# Altium PCB T1_Card.PcbDoc (part 5 of 6)
Units mil, origin at the board's own origin, x right, y up, seen from the top; angles counter-clockwise.
Board outline 3700.79 x 3582.68 mil, 6 copper layers (Layer 1, Layer 2, Layer 3, Layer 4, Layer 5, Layer 6), stack 65.8 mil thick; 365 components, 265 nets, 1177 pads, 1027 vias.
Unrouted connection lines stored in the file: 4.
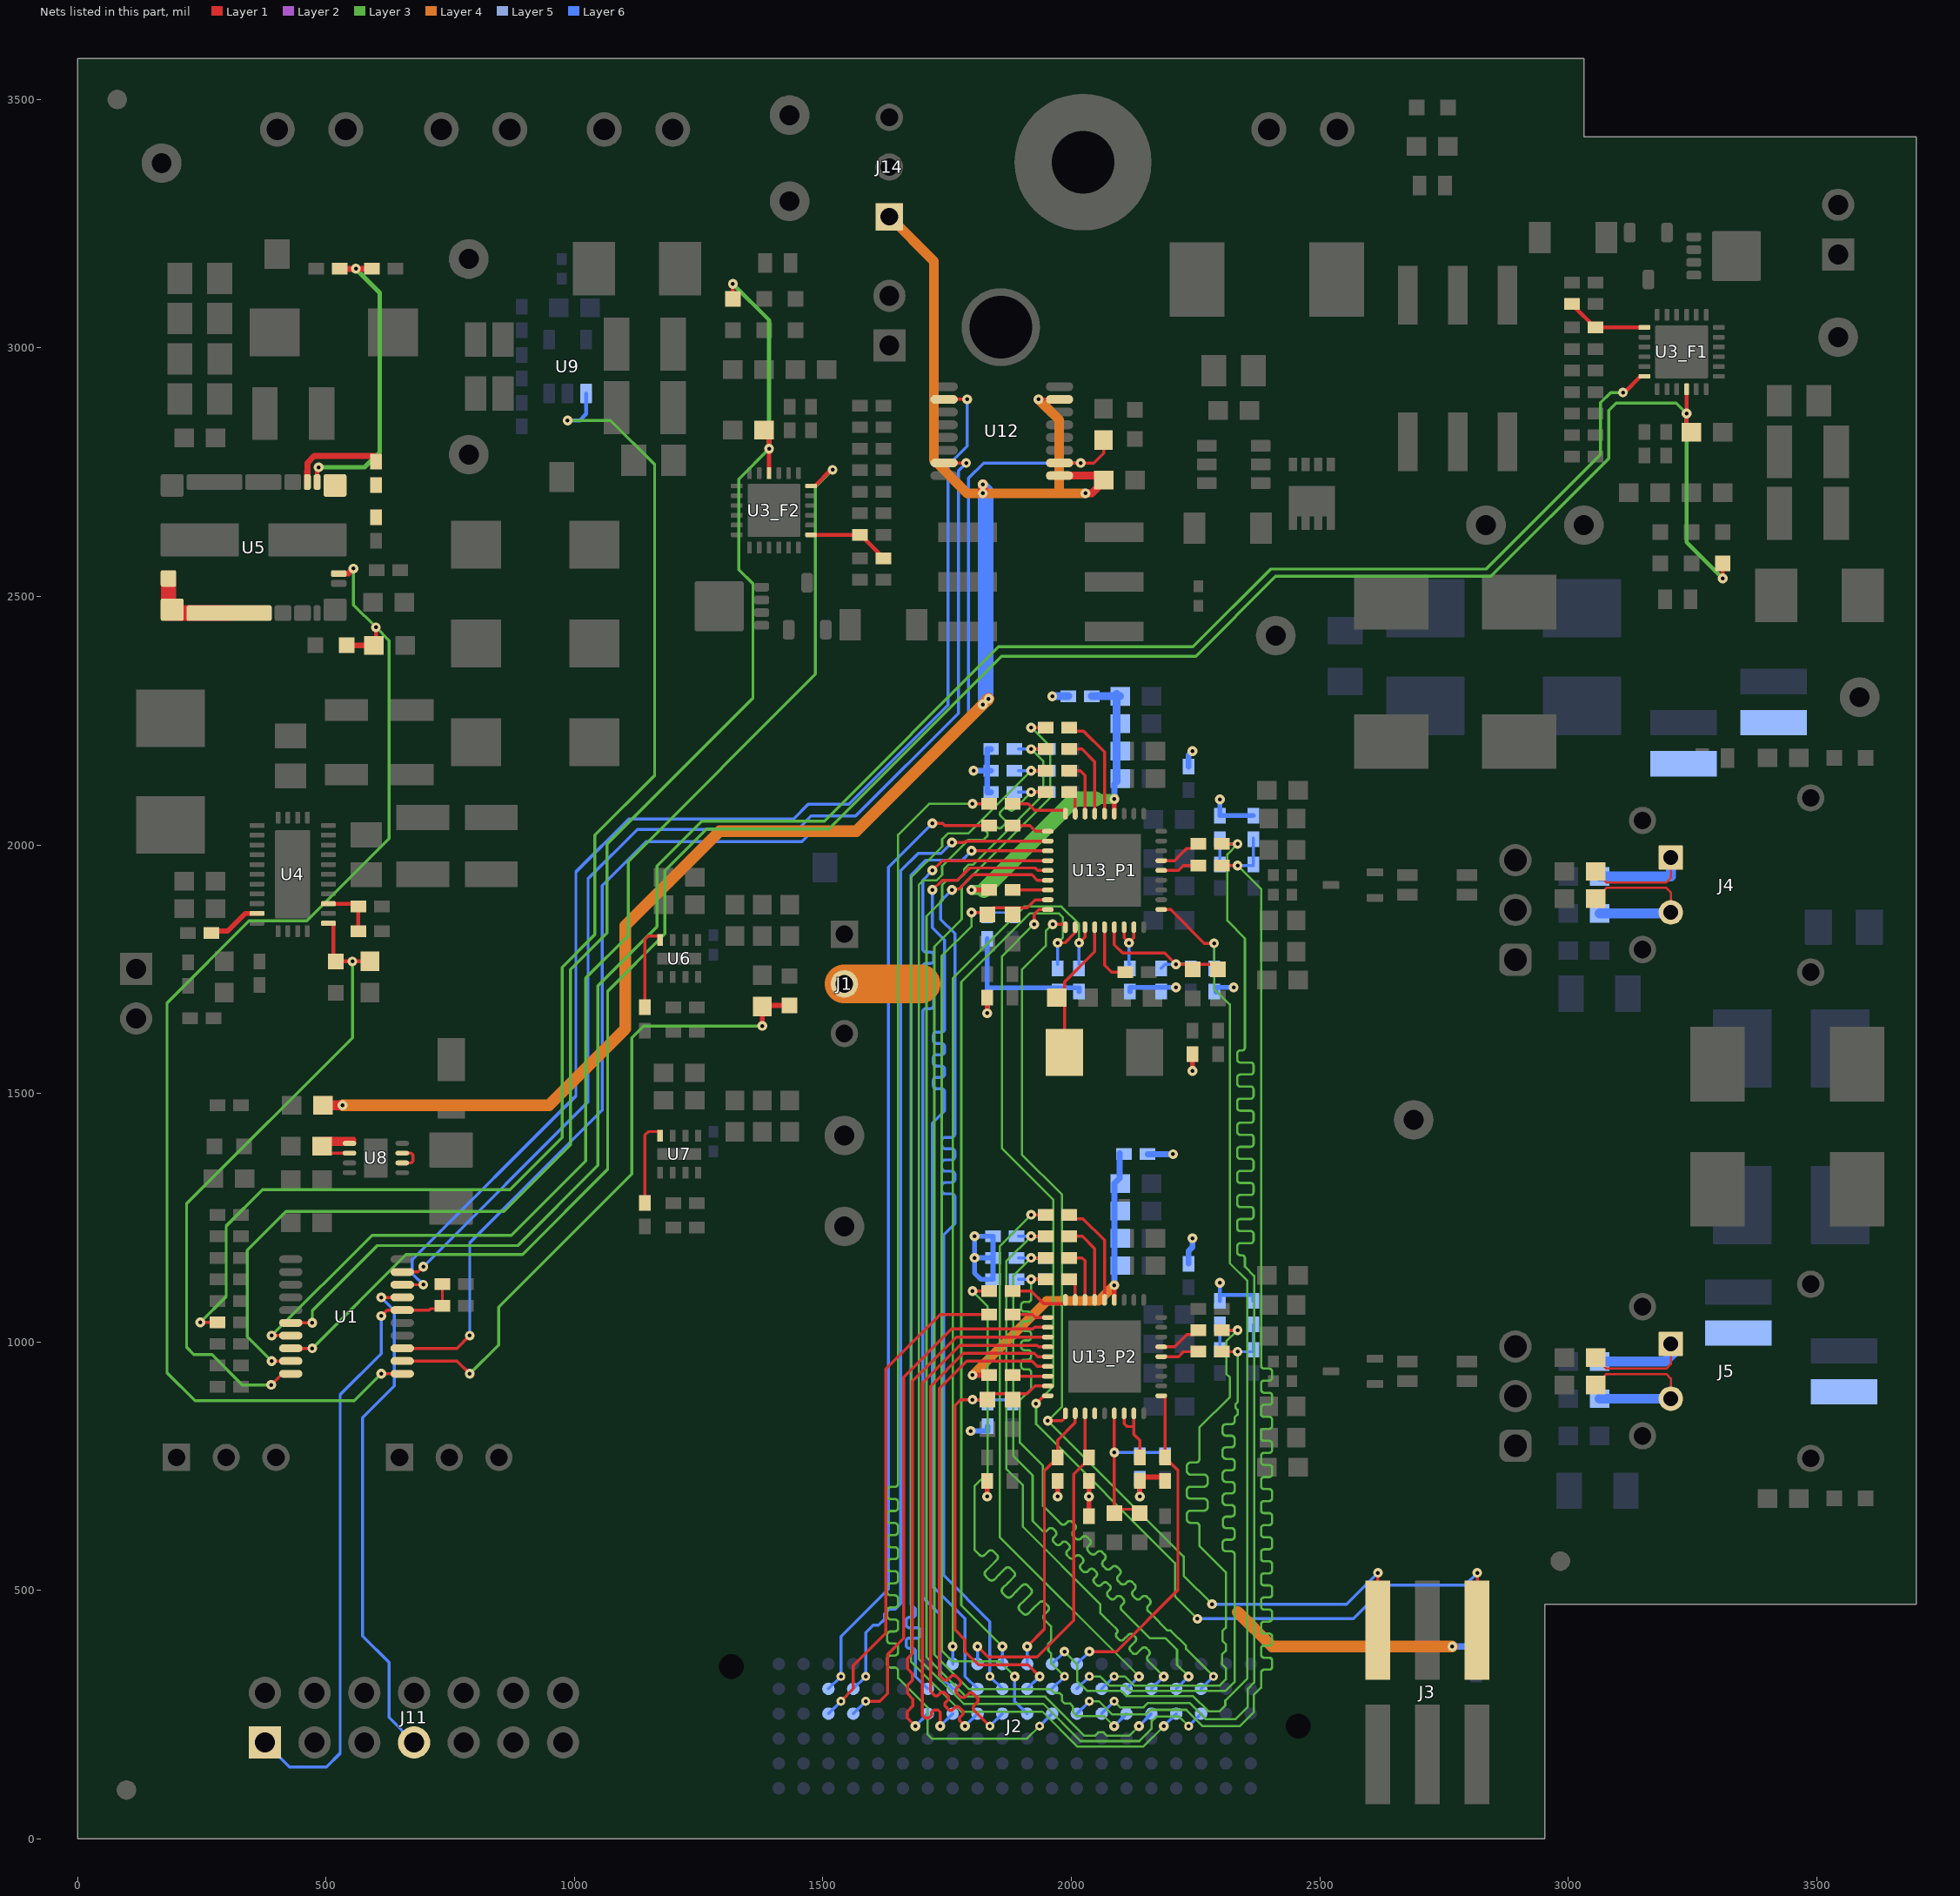
[diagram p9: the nets of this part, all layers, seen from the top]

## Via types
v1: diameter 19.68, hole 7.87, Layer 1 to Layer 6, 982 vias
v2: diameter 19.68, hole 7.87, Layer 1 to Layer 6, tented both sides, 45 vias

## Nets (pads, with @x,y where several pads share a name; then routed paths per layer and width w, separated by ;. In a path a pad name is that pad's centre, name@x,y a point inside that pad or via, vN(x,y) a via of type N, cw(c..) or ccw(c..) an arc to the next point about the centre after c; other vN are vias at no path point) (continued)
NetR11_F1_1: R11_F1.1 R14_F1.2 U3_F1.7 | length 163.6
  Layer 1 w8: R11_F1.1@3007.87,3084.65 3010.83,3084.65 3054.13,3041.34 R14_F1.2@3055.12,3041.34 U3_F1.7@3153.54,3041.34
NetR11_F2_1: R11_F2.1 R14_F2.2 U3_F2.7 | length 163.6
  Layer 1 w8: U3_F2.7@1476.38,2624.02 R14_F2.2@1574.8,2624.02 1575.79,2624.02 1619.09,2580.71 R11_F2.1@1622.05,2580.71
NetR17_1: R17.1 R18.2 U4.18 | length 115.2
  Layer 1 w8: U4.18@504.92,1881.89 564.96,1881.89 R17.1@564.96,1875.98 R18.2@564.96,1826.77
NetR19_2: R19.2 U4.10 | length 107.8
  Layer 1 w9.84: R19.2@269.69,1822.83 273.62,1826.77 302.17,1826.77 337.6,1862.2 U4.10@361.22,1862.2
NetR23_1: R23.1 R25.2 U5.2 | length 622.2
  Layer 1 w9: U5.2@482.28,2730.31 482.28,2759.84 v1(485.24,2759.84)
  Layer 1 w12: R25.2@527.56,3159.45 v1(560.04,3159.45) R23.1@592.52,3159.45
  Layer 3 w9: v1(485.24,2759.84) 577.76,2759.84 608.27,2790.35 608.27,3111.22 v1(560.04,3159.45)
NetR26_1: R26.1 R27.1 U5.1
NetR26_2: R26.2 U5.3 | length 192.7
  Layer 1 w10: R26.2@600.39,2771.65 R26.2@600.39,2782.48
  Layer 1 w12: 462.6,2750.98 462.6,2768.7 476.38,2782.48 R26.2@600.39,2782.48
  Layer 1 w13: U5.3@462.6,2730.31 462.6,2750.98
NetR29_2: R29.2 U6.8 | length 181.3
  Layer 1 w5.91: R29.2@1149.61,1673.23 1141.73,1681.1 1141.73,1810.04 1148.62,1816.93 1172.24,1816.93 U6.8@1172.24,1809.06
NetR31_2: R31.2 U7.8 | length 181.3
  Layer 1 w5.91: R31.2@1149.61,1279.53 1141.73,1287.4 1141.73,1416.34 1148.62,1423.23 1172.24,1423.23 U7.8@1172.24,1415.35
NetR33_2: R33.2 U8.1 U8.2 | length 192.9
  Layer 1 w5.91: R33.2@503.94,1379.92 U8.2@547.24,1379.92
  Layer 1 w9.84: R33.2@492.13,1393.7 R33.2@492.13,1399.61 ; R33.2@492.13,1399.61 492.13,1407.48 556.1,1407.48 556.1,1399.61 U8.1@547.24,1399.61 R33.2@492.13,1399.61
NetR36_1: R36.1 U9.1 | length 2727.2
  Layer 1 w5.91: v1(247.05,1039.37) R36.1@281.5,1039.37
  Layer 3 w6: v1(247.05,1039.37) 299.21,1091.54 299.21,1233.27 372.05,1306.1 870.08,1306.1 975.39,1411.42 975.39,1753.94 1041.34,1819.88 1041.34,2019.69 1161.42,2139.76 1161.42,2765.75 1072.83,2854.33 v1(986.22,2854.33)
  Layer 6 w8: v1(986.22,2854.33) 1010.83,2854.33 1023.62,2867.13 U9.1@1023.62,2908.46
NetR91_P1_1: R91_P1.1 U13_P1.7 U13_P1.8 | length 116.4
  Layer 1 w6: U13_P1.7@2106.3,1834.65 2106.3,1812.99 v1(2116.14,1803.15) 2125.98,1812.99 U13_P1.8@2125.98,1834.65
  Layer 6 w6: v1(2116.14,1803.15) 2116.14,1759.84 R91_P1.1@2118.11,1759.84
NetR91_P2_1: R91_P2.1 U13_P2.7 U13_P2.8 | length 136.3
  Layer 1 w6: U13_P2.7@2106.3,856.3 2106.3,835.63 2112.2,829.72 2125.98,829.72 ; U13_P2.8@2125.98,856.3 2125.98,829.72 ; R91_P2.1@2137.8,767.72 2137.8,802.17 2125.98,813.98 2125.98,829.72
NetR92_P1_2: R92_P1.2 U13_P1.34 | length 68.9
  Layer 1 w6: R92_P1.2@1883.86,1909.45 U13_P1.34@1952.76,1909.45
NetR92_P2_2: R92_P2.2 U13_P2.34 | length 71.7
  Layer 1 w6: R92_P2.2@1881.89,933.07 1883.86,931.1 U13_P2.34@1952.76,931.1
NetR94_P1_2: R94_P1.2 U13_P1.28 | length 75.8
  Layer 1 w6: R94_P1.2@1881.89,2039.37 1916.14,2039.37 1927.95,2027.56 U13_P1.28@1952.76,2027.56
NetR94_P2_2: R94_P2.2 U13_P2.28 | length 73.3
  Layer 1 w6: R94_P2.2@1881.89,1055.12 1922.05,1055.12 1927.95,1049.21 U13_P2.28@1952.76,1049.21
NetR98_P1_2: R98_P1.2 U13_P1.14 | length 78.9
  Layer 1 w6: U13_P1.14@2181.1,1948.82 2215.55,1948.82 2225.39,1958.66 R98_P1.2@2255.91,1958.66
NetR98_P2_2: R98_P2.2 U13_P2.14 | length 78.9
  Layer 1 w6: U13_P2.14@2181.1,970.47 2215.55,970.47 2225.39,980.31 R98_P2.2@2255.91,980.31
NetR99_P1_2: R99_P1.2 U13_P1.15 | length 88.7
  Layer 1 w6: U13_P1.15@2181.1,1968.5 2207.68,1968.5 2220.16,1980.98 2232.28,1993.11 2247.05,1993.11 R99_P1.2@2255.91,2001.97
NetR99_P2_2: R99_P2.2 U13_P2.15 | length 88.7
  Layer 1 w6: U13_P2.15@2181.1,990.16 2207.68,990.16 2220.16,1002.64 2232.28,1014.76 2247.05,1014.76 R99_P2.2@2255.91,1023.62
NetR100_P1_2: R100_P1.2 U13_P1.27 | length 118.5
  Layer 1 w6: R100_P1.2@1881.89,2082.68 1913.39,2082.68 1926.18,2069.88 1988.19,2069.88 U13_P1.27@1988.19,2062.99
NetR100_P2_2: R100_P2.2 U13_P2.27 | length 118.5
  Layer 1 w6: R100_P2.2@1881.89,1098.43 R100_P2.2@1885.83,1102.36 ; R100_P2.2@1893.7,1102.36 1919.29,1102.36 1944.88,1076.77 1988.19,1076.77 U13_P2.27@1988.19,1084.65
NetR101_P1_2: R101_P1.2 U13_P1.26 | length 48.2
  Layer 1 w6: R101_P1.2@1996.06,2106.3 2007.87,2094.49 U13_P1.26@2007.87,2062.99
NetR101_P2_2: R101_P2.2 U13_P2.26 | length 44.6
  Layer 1 w6: R101_P2.2@2000,1125.98 2007.87,1118.11 U13_P2.26@2007.87,1084.65
NetR102_P1_2: R102_P1.2 U13_P1.25 | length 112.3
  Layer 1 w6: R102_P1.2@1996.06,2149.61 2017.72,2149.61 2027.56,2139.76 U13_P1.25@2027.56,2062.99
NetR102_P2_2: R102_P2.2 U13_P2.25 | length 108.7
  Layer 1 w6: R102_P2.2@2000,1169.29 2021.65,1169.29 2027.56,1163.39 U13_P2.25@2027.56,1084.65
NetR103_P1_2: R103_P1.2 U13_P1.24 | length 166.1
  Layer 1 w6: R103_P1.2@1996.06,2192.91 2021.65,2192.91 2047.24,2167.32 U13_P1.24@2047.24,2062.99
NetR103_P2_2: R103_P2.2 U13_P2.24 | length 160.7
  Layer 1 w6: R103_P2.2@2000,1212.6 2022.44,1212.6 2047.24,1187.8 U13_P2.24@2047.24,1084.65
NetR104_P1_2: R104_P1.2 U13_P1.23 | length 215.3
  Layer 1 w6: R104_P1.2@1996.06,2236.22 2002.95,2229.33 2024.61,2229.33 2066.93,2187.01 U13_P1.23@2066.93,2062.99
NetR104_P2_2: R104_P2.2 U13_P2.23 | length 208.2
  Layer 1 w6: R104_P2.2@2000,1255.91 2007.87,1248.03 2023.62,1248.03 2066.93,1204.72 U13_P2.23@2066.93,1084.65
NetU5_9: U5.9 U5.10 U5.11 | length 191.7
  Layer 1 w31.3: U5.9@183.07,2536.22 183.07,2466.54 U5.11@305.12,2466.54
NetU8_6: U8.6 U8.7 | length 58.4
  Layer 1 w5.91: U8.6@653.54,1360.24 671.26,1360.24 675.2,1364.17 675.2,1375.98 671.26,1379.92 U8.7@653.54,1379.92
PG1: D10_F1.2 R7_F1.1 U1.8 U3_F1.16 | length 4421.3
  Layer 1 w6: U1.8@429.13,987.2 v1(472.44,987.2)
  Layer 1 w8: R7_F1.1@3238.19,2834.65 v1(3238.19,2868.11) U3_F1.16@3238.19,2917.32 ; v1(3311.02,2536.42) D10_F1.2@3311.02,2566.93
  Layer 3 w6: v1(472.44,987.2) 661.42,1176.18 895.67,1176.18 1066.93,1347.44 1066.93,1705.71 1182.09,1820.87 1182.09,1948.23 1266.34,2032.48 1512.18,2032.48 1859.62,2379.92 2250.98,2379.92 2411.42,2540.35 2505.91,2540.35 2844.49,2540.35 3081.69,2777.56 3081.69,2874.02 3096.46,2888.78 3217.52,2888.78 v1(3238.19,2868.11)
  Layer 3 w8: v1(3238.19,2868.11) 3238.19,2609.25 v1(3311.02,2536.42)
PG2: D10_F2.2 R7_F2.1 U1.9 U3_F2.16 | length 3085.2
  Layer 1 w6: v1(390.75,961.61) U1.9@429.13,961.61
  Layer 1 w8: D10_F2.2@1318.9,3098.43 v1(1318.9,3128.94) ; U3_F2.16@1391.73,2748.03 v1(1391.73,2797.24) R7_F2.1@1391.73,2830.71
  Layer 3 w6: v1(390.75,961.61) 341.54,1010.83 341.54,1185.04 419.29,1262.8 858.27,1262.8 992.13,1396.65 992.13,1749.02 1065.94,1822.83 1065.94,2001.97 1359.25,2295.28 1359.25,2525.59 1330.71,2554.13 1330.71,2736.22 v1(1391.73,2797.24)
  Layer 3 w8: v1(1318.9,3128.94) 1391.73,3056.1 v1(1391.73,2797.24)
PG_5V: D12.2 R22.1 U1.11 U5.17 | length 2546.9
  Layer 1 w6: v1(611.22,936.02) U1.11@653.54,936.02
  Layer 1 w8: R22.1@596.46,2401.57 600.39,2405.51 v1(600.39,2437.99)
  Layer 1 w12: U5.17@525.59,2546.06 545.08,2546.06 v1(555.12,2556.1) ; D12.2@541.34,2401.57 R22.1@596.46,2401.57
  Layer 3 w6: v1(555.12,2556.1) 555.12,2483.27 v1(600.39,2437.99) 626.97,2411.42 626.97,2012.8 461.61,1847.44 345.47,1847.44 180.12,1682.09 180.12,937.99 236.22,881.89 557.09,881.89 v1(611.22,936.02)
PG_24V12V: D11.2 R16.1 U1.10 U4.16 | length 1325.5
  Layer 1 w6: v1(389.76,913.56) 412.23,936.02 U1.10@429.13,936.02
  Layer 1 w8: U4.16@504.92,1842.52 514.76,1842.52 514.76,1765.75 D11.2@519.68,1765.75 R16.1@588.58,1765.75
  Layer 3 w6: v1(389.76,913.56) 331.52,913.56 270.67,974.41 234.25,974.41 219.49,989.17 219.49,1278.54 553.15,1612.2 v1(553.15,1765.75)
PG_Local_3V3: D13.1 R28.1 U1.12 | length 1326.6
  Layer 1 w6: U1.12@653.54,961.61 763.78,961.61 v1(789.37,936.02)
  Layer 1 w9.84: v1(1377.95,1635.83) R28.1@1377.95,1675.2 1377.95,1677.17 D13.1@1433.07,1677.17
  Layer 3 w6: v1(789.37,936.02) 847.44,994.09 847.44,1069.88 1115.16,1337.6 1115.16,1612.2 1138.78,1635.83 v1(1377.95,1635.83)
PHY_LED1_1: D18.2 D22.1 R58.1 R76.2 U13_P1.6 | length 332
  Layer 1 w6: U13_P1.6@2086.61,1834.65 2086.61,1799.21 2103.35,1782.48 2187.99,1782.48 v1(2210.63,1759.84) 2285.43,1759.84 D22.1@2295.28,1750
  Layer 6 w6: R58.1@2181.1,1751.97 2188.98,1759.84 v1(2210.63,1759.84) 2241.14,1759.84 R76.2@2244.09,1762.8
PHY_LED1_2: D20.2 D24.1 R67.1 R85.2 U13_P2.6 | length 358.7
  Layer 1 w6: D20.2@2086.61,656.5 D20.2@2086.61,664.37 ; 2086.61,731.3 2086.61,729.33 D20.2@2086.61,664.37 ; 2086.61,732.28 U13_P2.6@2086.61,856.3 ; D24.1@2137.8,663.39 2087.6,663.39 D20.2@2086.61,664.37
  Layer 6 w6: v1(2086.61,777.56) 2188.98,777.56 R85.2@2188.98,771.65
PHY_N1: C67_P1.1 J4.1 L2.1 R95_P1.2 | length 386.2
  Layer 1 w4.5: C67_P1.1@3055.12,1946.85 3077.18,1924.79 3197.43,1924.79 3206.6,1933.96 J4.1@3206.6,1974.49
  Layer 6 w20: R95_P1.2@3062.99,1937.01 3206.6,1937.01 J4.1@3206.6,1974.6
PHY_N2: C67_P2.1 J5.1 L1.2 R95_P2.2 | length 370.2
  Layer 1 w4.5: C67_P2.1@3055.12,968.5 3077.18,946.44 3197.43,946.44 3206.6,955.62 J5.1@3206.6,996.14
  Layer 6 w20: R95_P2.2@3062.99,960.63 3194.88,960.63 J5.1@3218.5,984.25
PHY_P1: C64_P1.1 J4.2 L6.1 R96_P1.2 | length 348.4
  Layer 1 w4.5: C64_P1.1@3055.12,1891.73 3077.18,1913.79 3197.43,1913.79 3206.6,1904.62 J4.2@3206.6,1864.37 J4.2@3206.6,1864.25
  Layer 6 w20: R96_P1.2@3062.99,1862.2 J4.2@3206.6,1862.2
PHY_P2: C64_P2.1 J5.2 L5.2 R96_P2.2 | length 348.4
  Layer 1 w4.5: C64_P2.1@3055.12,913.39 3077.18,935.44 3197.43,935.44 3206.6,926.27 J5.2@3206.6,885.91
  Layer 6 w20: R96_P2.2@3062.99,885.83 J5.2@3206.6,885.83
PHY_VDD: J1.2 L8_P1.1 L8_P2.1 L9_P1.1 L9_P2.1 R1.2 R51.2 R52.2 R53.2 R54.2 R55.2 R56.2 R57.2 R58.2 R59.2 R60.2 R61.2 R62.2 R63.2 R64.2 R65.2 R66.2 R67.2 R68.2 R88_P1.2 R88_P2.2 R89_P1.2 R89_P2.2 R90_P1.2 R90_P2.2 R91_P1.2 R91_P2.2 | length 2343.7
  Layer 1 w10: v1(1830.71,688.98) R66.2@1830.71,720.47 ; v1(1830.71,1661.42) R57.2@1830.71,1692.91 ; v1(1972.44,688.98) R89_P2.2@1972.44,720.47 ; R68.2@2035.43,657.48 v1(2035.43,688.98) R90_P2.2@2035.43,720.47 R90_P2.2@2035.43,728.35 ; v1(2137.8,688.98) R91_P2.2@2137.8,720.47 ; R91_P2.2@2137.8,728.35 R88_P2.2@2188.98,728.35 ; v1(2244.09,1545.28) R59.2@2244.09,1578.74 R59.2@2244.09,1582.68
  Layer 4 w23.62: 2334.65,456.69 2403.98,387.36 v1(2766.73,387.36)
  Layer 4 w78.74: J1.2@1543.31,1720.47 1696.85,1720.47
  Layer 6 w7.87: R60.2@2299.21,1082.68 R60.2@2299.21,1094.49 ; v1(2299.21,1119.09) R60.2@2299.21,1094.49 ; R61.2@2366.14,1082.68 2366.14,1094.49 R60.2@2299.21,1094.49
  Layer 6 w10: v1(1797.24,820.87) R65.2@1830.71,820.87 ; v1(1830.71,1661.42) 1830.71,1712.6 ; R56.2@1830.71,1811.02 1830.71,1712.6 ; R89_P1.2@1972.44,1704.72 R89_P1.2@1972.44,1708.66 ; R90_P1.2@2015.75,1704.72 2015.75,1712.6 1830.71,1712.6 ; R91_P1.2@2118.11,1704.72 2118.11,1713.58 v1(2210.63,1713.58) ; v1(2137.8,688.98) R67.2@2137.8,724.41 ; R88_P1.2@2291.34,1703.74 2291.34,1713.58 v1(2326.77,1713.58) ; v1(2299.21,2091.54) R51.2@2299.21,2059.06 R52.2@2366.14,2059.06 ; v1(1805.12,1169.29) v1(1805.12,1212.6) R64.2@1842.52,1212.6 R63.2@1842.52,1169.29 ; v1(1805.12,1169.29) 1805.12,1138.78 1817.91,1125.98 R62.2@1842.52,1125.98 R63.2@1842.52,1169.29 ; v1(1805.12,1169.29) R63.2@1842.52,1169.29 ; R65.2@1830.71,820.87 1830.71,829.57 R65.2@1831.84,830.71 1831.84,820.87 R65.2@1830.71,820.87
  Layer 6 w11.81: v1(1803.32,2149.61) R54.2@1830.71,2149.61 ; R53.2@1838.58,2106.3 1830.71,2106.3 R54.2@1830.71,2149.61 ; R54.2@1838.58,2149.61 R54.2@1830.71,2149.61 ; R55.2@1838.58,2192.91 1830.71,2192.91 R54.2@1830.71,2149.61 ; L8_P2.1@2153.54,1377.95 v1(2204.72,1377.95) ; L9_P2.1@2236.22,1157.48 2236.22,1183.07 2244.09,1190.94 v1(2244.09,1208.66) ; L9_P1.1@2236.22,2157.48 2236.22,2181.1 v1(2244.09,2188.98)
  Layer 6 w12.99: v1(2766.73,387.36) 2814.96,387.36 R1.2@2814.96,377.95
  Layer 6 w15.75: v1(1961.61,2299.21) L8_P1.1@1994.09,2299.21
PRU0_MDC: J3.2 U13_P1.1 U13_P2.1 | length 2128.8
  Layer 1 w6: v1(1952.76,841.54) 1981.3,841.54 1988.19,848.43 U13_P2.1@1988.19,856.3 ; v1(1962.6,1840.55) 1988.19,1840.55 U13_P1.1@1988.19,1834.65 ; J3.2@2616.54,420.28 2617.13,420.87 v1(2617.13,535.43)
  Layer 3 w4.55: v1(1962.6,1840.55) 1948.82,1826.77 1948.82,1797.05 1900.59,1748.82 1900.59,1376.97 1981.3,1296.26 1981.3,870.08 v1(1952.76,841.54) 2226.1,568.19 2226.1,529.8 v1(2283.46,472.44)
  Layer 6 w6: v1(2283.46,472.44) 2554.13,472.44 v1(2617.13,535.43)
PRU0_MDIO: J3.6 U13_P1.36 U13_P2.36 | length 2414.3
  Layer 1 w6: v1(1925.2,1840.55) 1925.2,1860.24 1935.04,1870.08 U13_P1.36@1952.76,1870.08 ; v1(1929.13,875.98) 1944.88,891.73 U13_P2.36@1952.76,891.73 ; J3.6@2816.54,420.28 2816.93,420.67 v1(2816.93,535.43)
  Layer 3 w4.55: v1(1925.2,1840.55) 1860.24,1775.59 1860.24,1389.76 1963.58,1286.42 1963.58,910.43 v1(1929.13,875.98) 1929.13,834.65 2208.66,555.12 2208.66,488.19 v1(2253.94,442.91)
  Layer 6 w6: v1(2253.94,442.91) 2567.91,442.91 2635.83,510.83 2792.32,510.83 v1(2816.93,535.43)
PRU0_MII_INH1: J2.54 R88_P1.1 U13_P1.10 | length 2197.6
  Layer 1 w6: U13_P1.10@2181.1,1870.08 2199.8,1870.08 2267.72,1802.17 v1(2287.4,1802.17)
  Layer 3 w4.55: v1(1986.22,377) 2011.81,351.41 2011.81,317.91 2031.77,297.95 2100.67,297.95 2111.22,287.4 2245.08,287.4 2275.59,256.89 2298.23,256.89 2310.04,268.7 2310.04,278.54 2354.33,322.83 2354.33,1123.03 2318.9,1158.46 2318.9,1679.13 2287.4,1710.63 v1(2287.4,1802.17)
  Layer 6 w4.55: R88_P1.1@2287.4,1751.97 v1(2287.4,1802.17)
  Layer 6 w6: J2.54@1961.22,352 v1(1986.22,377)
PRU0_MII_INH2: J2.48 R88_P2.1 U13_P2.10 | length 673.1
  Layer 1 w6: v1(2036.22,377) 2090.58,377 2214.57,500.98 2214.57,742.13 R88_P2.1@2188.98,767.72 2188.98,889.79 2183.28,889.79 2181.34,891.73 U13_P2.10@2181.1,891.73
  Layer 6 w6: J2.48@2011.22,352 v1(2036.22,377)
PRU0_MII_INT1: J2.66 R89_P1.1 U13_P1.2 | length 1825.6
  Layer 1 w6: v1(1972.44,1803.15) 1987.2,1803.15 2007.87,1823.82 U13_P1.2@2007.87,1834.65
  Layer 3 w4.55: v1(1861.22,387.36) 1778.54,470.03 1778.54,1724.41 1916.39,1862.26 1975.34,1862.26 1983.27,1854.33 1983.27,1813.98 v1(1972.44,1803.15)
  Layer 6 w6: J2.66@1861.22,352 v1(1861.22,387.36) ; R89_P1.1@1972.44,1759.84 v1(1972.44,1803.15)
PRU0_MII_INT2: J2.60 R89_P2.1 U13_P2.2 | length 544.3
  Layer 1 w6: v1(1911.22,387.36) 1945.87,422 1945.87,741.14 R89_P2.1@1972.44,767.72 1972.44,802.17 2007.87,837.6 U13_P2.2@2007.87,856.3
  Layer 6 w6: J2.60@1911.22,352 v1(1911.22,387.36)
PRU0_MII_RESETn1: J2.78 R90_P1.1 U13_P1.3 | length 1825.8
  Layer 1 w6: v1(2015.75,1803.15) 2027.56,1814.96 U13_P1.3@2027.56,1834.65
  Layer 3 w4.55: v1(1761.22,387.36) 1761.22,1731.69 1905.51,1875.98 1980.31,1875.98 2015.75,1840.55 v1(2015.75,1803.15)
  Layer 6 w6: J2.78@1761.22,352 v1(1761.22,387.36) ; R90_P1.1@2015.75,1759.84 v1(2015.75,1803.15)
PRU0_MII_RESETn2: J2.72 R90_P2.1 U13_P2.3 | length 686.3
  Layer 1 w6: v1(1811.22,387.36) 1832.43,366.14 1931.14,366.14 2004.92,439.92 2004.92,734.25 R90_P2.1@2027.56,756.89 ; R90_P2.1@2027.56,764.76 U13_P2.3@2027.56,856.3
  Layer 6 w6: J2.72@1811.22,352 v1(1811.22,387.36)
PRU0_MII_RX_CLK1: J2.52 R100_P1.1 TP14_P1.1 | length 2573.8
  Layer 1 w6: v1(1801.18,2082.68) R100_P1.1@1832.68,2082.68
  Layer 3 w4.55: v1(1801.18,2082.68) 1713.58,2082.68 1651.57,2020.67 1651.57,783.46 1651.57,715.6 cw(c1644.3,715.6) 1644.3,708.33 1636.51,708.33 ccw(c1636.51,701.06) 1629.24,701.06 1629.24,691.36 ccw(c1636.51,691.36) 1636.51,684.09 1644.3,684.09 cw(c1644.3,676.82) 1651.57,676.82 1651.57,667.13 cw(c1644.3,667.13) 1644.3,659.86 1636.51,659.86 ccw(c1636.51,652.58) 1629.24,652.58 1629.24,642.89 ccw(c1636.51,642.89) 1636.51,635.62 1644.3,635.62 cw(c1644.3,628.35) 1651.57,628.35 1651.57,618.65 cw(c1644.3,618.65) 1644.3,611.38 1636.51,611.38 ccw(c1636.51,604.11) 1629.24,604.11 1629.24,594.42 ccw(c1636.51,594.42) 1636.51,587.15 1644.3,587.15 cw(c1644.3,579.88) 1651.57,579.88 1651.57,570.18 cw(c1644.3,570.18) 1644.3,562.91 1636.51,562.91 ccw(c1636.51,555.64) 1629.24,555.64 1629.24,545.95 ccw(c1636.51,545.95) 1636.51,538.68 1644.3,538.68 cw(c1644.3,531.41) 1651.57,531.41 1651.57,521.71 cw(c1644.3,521.71) 1644.3,514.44 1636.51,514.44 ccw(c1636.51,507.17) 1629.24,507.17 1629.24,497.48 ccw(c1636.51,497.48) 1636.51,490.21 1644.3,490.21 cw(c1644.3,482.94) 1651.57,482.94 1651.57,473.24 cw(c1644.3,473.24) 1644.3,465.97 1636.51,465.97 ccw(c1636.51,458.7) 1629.24,458.7 1629.24,449.01 ccw(c1636.51,449.01) 1636.51,441.74 1644.3,441.74 cw(c1644.3,434.47) 1651.57,434.47 1651.57,424.77 cw(c1644.3,424.77) 1644.3,417.5 1636.51,417.5 ccw(c1636.51,410.23) 1629.24,410.23 1629.24,400.54 ccw(c1636.51,400.54) 1636.51,393.27 1644.3,393.27 cw(c1644.3,386) 1651.57,386 1651.57,376.3 cw(c1644.3,376.3) 1644.3,369.03 1636.51,369.03 ccw(c1636.51,361.76) 1629.24,361.76 1629.24,352.07 ccw(c1636.51,352.07) 1636.51,344.79 1644.3,344.79 cw(c1644.3,337.52) 1651.57,337.52 1651.57,332.68 1651.57,323.82 1710.63,264.76 1710.63,210.63 1719.49,201.77 1910.99,201.77 TP14_P1.1@1936.22,227
  Layer 6 w6: TP14_P1.1@1936.22,227 J2.52@1961.22,252
PRU0_MII_RX_CLK2: J2.53 R100_P2.1 TP14_P2.1 | length 1226.1
  Layer 1 w6: v1(1801.18,1102.36) 1832.68,1102.36 1833.66,1101.38 R100_P2.1@1834.65,1102.36
  Layer 3 w4.55: v1@1800.95,1102.36 1831.84,1071.47 1831.84,736.37 1805.12,709.65 1805.12,581.69 1812.01,574.8 1815.44,571.38 ccw(c1820.58,576.52) 1825.72,571.38 1833.02,578.68 cw(c1838.16,573.54) 1843.3,578.68 1850.16,571.82 cw(c1845.02,566.68) 1850.16,561.54 1837.71,549.1 1827.73,539.12 ccw(c1832.87,533.97) 1827.73,528.83 1834.59,521.98 ccw(c1839.73,527.12) 1844.87,521.98 1854.85,531.96 1867.29,544.4 cw(c1872.43,539.26) 1877.58,544.4 1884.43,537.55 cw(c1879.29,532.41) 1884.43,527.27 1871.99,514.82 1862.01,504.84 ccw(c1867.15,499.7) 1862.01,494.56 1868.86,487.7 ccw(c1874,492.85) 1879.14,487.7 1889.12,497.69 1901.57,510.13 cw(c1906.71,504.99) 1911.85,510.13 1918.7,503.27 cw(c1913.56,498.13) 1918.7,492.99 1906.26,480.55 1896.28,470.57 ccw(c1901.42,465.43) 1896.28,460.29 1903.13,453.43 ccw(c1908.28,458.57) 1913.42,453.43 1923.4,463.41 1935.84,475.86 cw(c1940.98,470.71) 1946.12,475.86 1952.98,469 cw(c1947.84,463.86) 1952.98,458.72 1945.68,451.42 ccw(c1950.82,446.28) 1945.68,441.13 1950.3,436.52 1959.65,427.17 1959.65,398.62 1953.74,392.72 1953.74,378.94 1959.65,373.03 1959.65,353.57 TP14_P2.1@1986.22,327
  Layer 6 w6: J2.53@1961.22,302 TP14_P2.1@1986.22,327
PRU0_MII_RX_D0_1: J2.16 R53.1 R71.2 R101_P1.1 TP15_P1.1 | length 2701.5
  Layer 1 w6: v1(1919.29,2106.3) R101_P1.1@1948.82,2106.3
  Layer 3 w4.55: v1(1919.29,2106.3) 1906.99,2094 1884.2,2071.21 cw(c1879.69,2075.73) 1875.17,2071.21 1873.02,2073.37 ccw(c1868.5,2068.85) 1863.99,2073.37 1857.97,2067.35 ccw(c1862.48,2062.83) 1857.97,2058.32 1864.64,2051.65 1865.9,2050.39 cw(c1861.38,2045.87) 1865.9,2041.36 1859.88,2035.34 cw(c1855.36,2039.86) 1850.85,2035.34 1849.59,2036.6 1842.92,2043.27 ccw(c1838.41,2038.76) 1833.89,2043.27 1827.87,2037.25 ccw(c1832.39,2032.74) 1827.87,2028.22 1830.03,2026.06 cw(c1825.51,2021.55) 1830.03,2017.04 1827.02,2014.03 1822.83,2009.84 1792.32,2009.84 1740.16,1957.68 1740.16,1939.96 1729.33,1929.13 1702.76,1929.13 1692.91,1919.29 1692.91,1903.54 1692.91,362.2 1783.46,271.65 1943.9,271.65 2018.7,196.85 2136.81,196.85 2161.42,221.46 2161.42,235.91 2171.57,246.06 2217.16,246.06 TP15_P1.1@2236.22,227
  Layer 6 w6: R53.1@1893.7,2106.3 v1(1919.29,2106.3) R71.2@1952.76,2106.3 ; TP15_P1.1@2236.22,227 J2.16@2261.22,252
PRU0_MII_RX_D0_2: J2.17 R62.1 R80.2 R101_P2.1 TP15_P2.1 | length 1359.8
  Layer 1 w6: v1(1919.29,1125.98) R101_P2.1@1948.82,1125.98
  Layer 3 w4.55: v1(1919.29,1125.98) 1919.29,1109.25 1919.29,1099.6 1919.29,1087.04 cw(c1912.53,1087.04) 1912.53,1080.28 1905.69,1080.28 ccw(c1905.69,1073.52) 1898.93,1073.52 1898.93,1067.73 ccw(c1905.69,1067.73) 1905.69,1060.97 1912.53,1060.97 cw(c1912.53,1054.21) 1919.29,1054.21 1919.29,1048.41 cw(c1912.53,1048.41) 1912.53,1041.65 1905.69,1041.65 ccw(c1905.69,1034.89) 1898.93,1034.89 1898.93,1029.1 ccw(c1905.69,1029.1) 1905.69,1022.34 1912.53,1022.34 cw(c1912.53,1015.58) 1919.29,1015.58 1919.29,1009.79 cw(c1912.53,1009.79) 1912.53,1003.03 1905.69,1003.03 ccw(c1905.69,996.27) 1898.93,996.27 1898.93,990.47 ccw(c1905.69,990.47) 1905.69,983.71 1912.53,983.71 cw(c1912.53,976.95) 1919.29,976.95 1919.29,971.16 cw(c1912.53,971.16) 1912.53,964.4 1905.69,964.4 ccw(c1905.69,957.64) 1898.93,957.64 1898.93,951.84 ccw(c1905.69,951.84) 1905.69,945.08 1912.53,945.08 cw(c1912.53,938.32) 1919.29,938.32 1919.29,919.29 1919.29,905.51 1896.65,882.87 1896.65,797.24 1942.91,750.98 1942.91,670.31 1976.39,636.83 1978.65,634.57 ccw(c1983.92,639.84) 1989.19,634.57 1991.79,637.17 cw(c1997.06,631.91) 2002.32,637.17 2006.84,632.66 cw(c2001.57,627.39) 2006.84,622.13 2004.23,619.52 ccw(c2009.5,614.25) 2004.23,608.99 2008.75,604.47 ccw(c2014.02,609.74) 2019.28,604.47 2021.89,607.08 cw(c2027.16,601.81) 2032.42,607.08 2036.94,602.56 cw(c2031.67,597.29) 2036.94,592.03 2034.33,589.42 ccw(c2039.6,584.16) 2034.33,578.89 2038.85,574.37 ccw(c2044.11,579.64) 2049.38,574.37 2051.99,576.98 cw(c2057.25,571.71) 2062.52,576.98 2067.04,572.46 cw(c2061.77,567.2) 2067.04,561.93 2064.43,559.32 ccw(c2069.7,554.06) 2064.43,548.79 2068.94,544.28 ccw(c2074.21,549.54) 2079.48,544.28 2082.08,546.88 cw(c2087.35,541.61) 2092.62,546.88 2097.13,542.37 cw(c2091.87,537.1) 2097.13,531.83 2094.53,529.23 ccw(c2099.8,523.96) 2094.53,518.69 2099.04,514.18 ccw(c2104.31,519.44) 2109.58,514.18 2112.18,516.78 cw(c2117.45,511.51) 2122.72,516.78 2127.23,512.27 cw(c2121.96,507) 2127.23,501.73 2124.63,499.13 ccw(c2129.89,493.86) 2124.63,488.59 2129.14,484.08 ccw(c2134.41,489.35) 2139.68,484.08 2142.28,486.68 cw(c2147.55,481.42) 2152.81,486.68 2157.33,482.17 cw(c2152.06,476.9) 2157.33,471.63 2154.72,469.03 ccw(c2159.99,463.76) 2154.72,458.5 2161.93,451.3 2193.93,419.29 2199.8,419.29 2230.82,388.27 2230.82,382.4 TP15_P2.1@2286.22,327